# Altium PCB EASY-EAI-Nano-TB V1.01.PCBDOC (part 1 of 7) (continued)
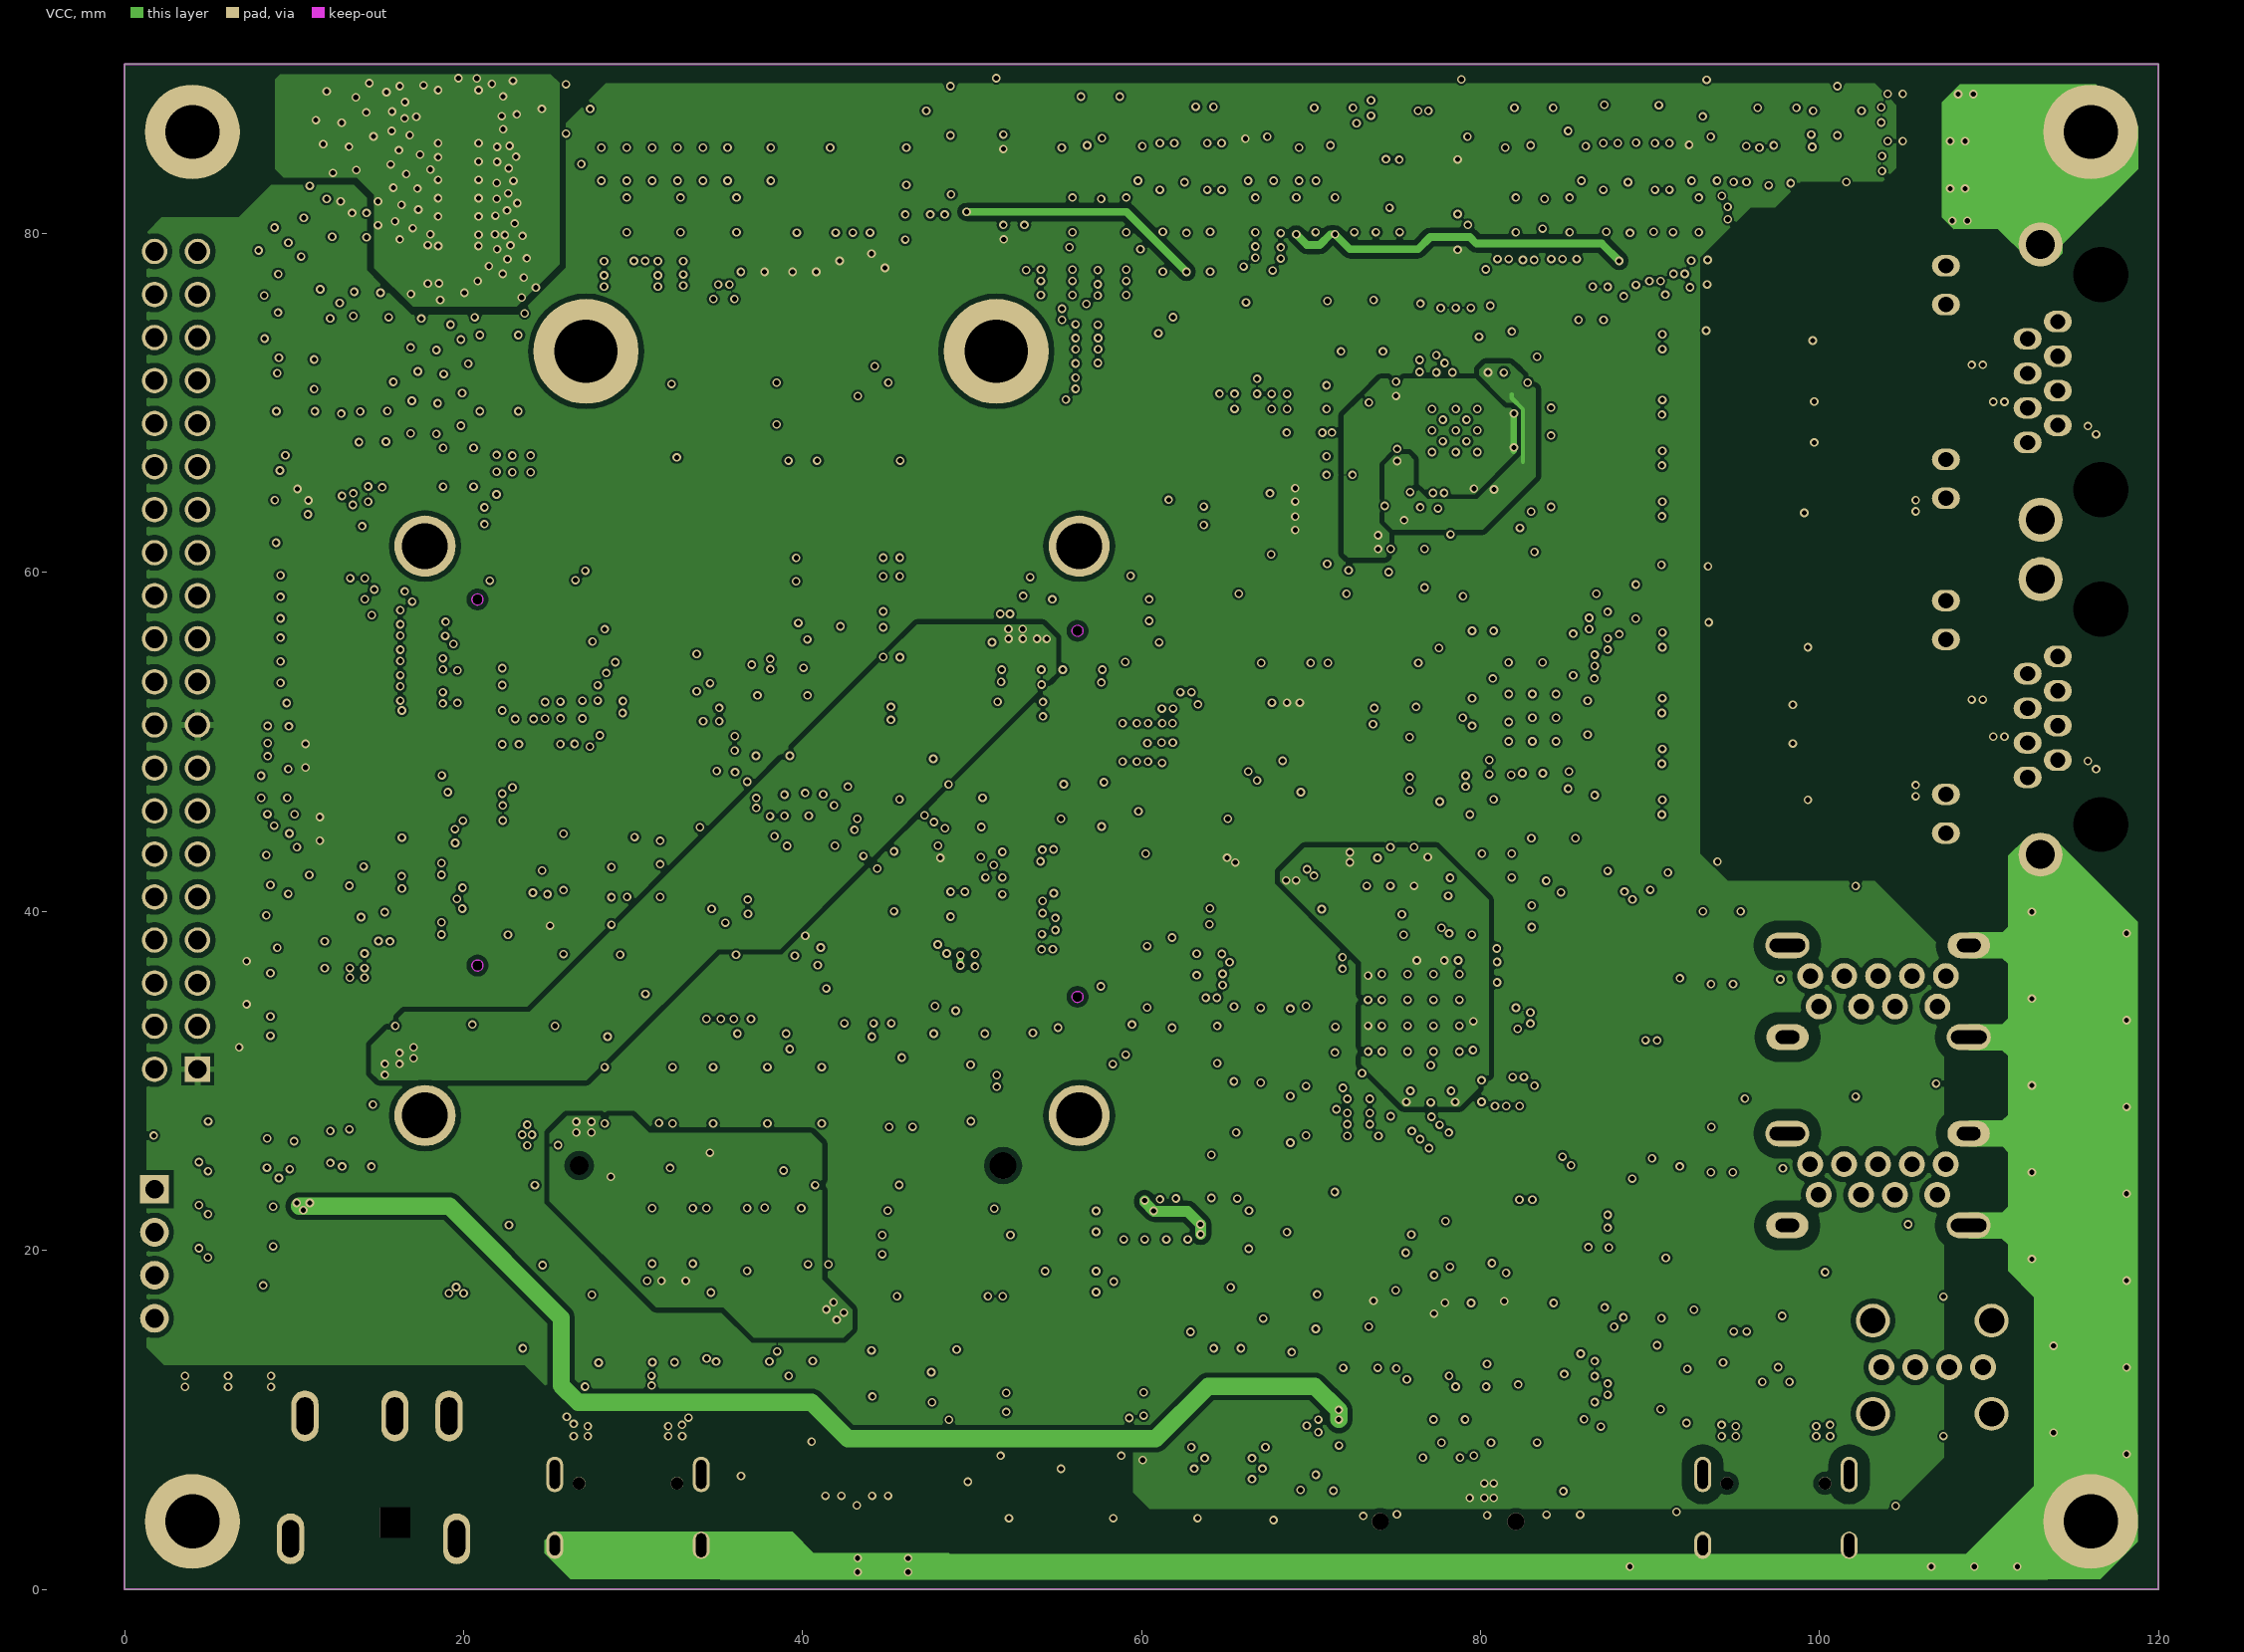
[diagram p3: VCC]
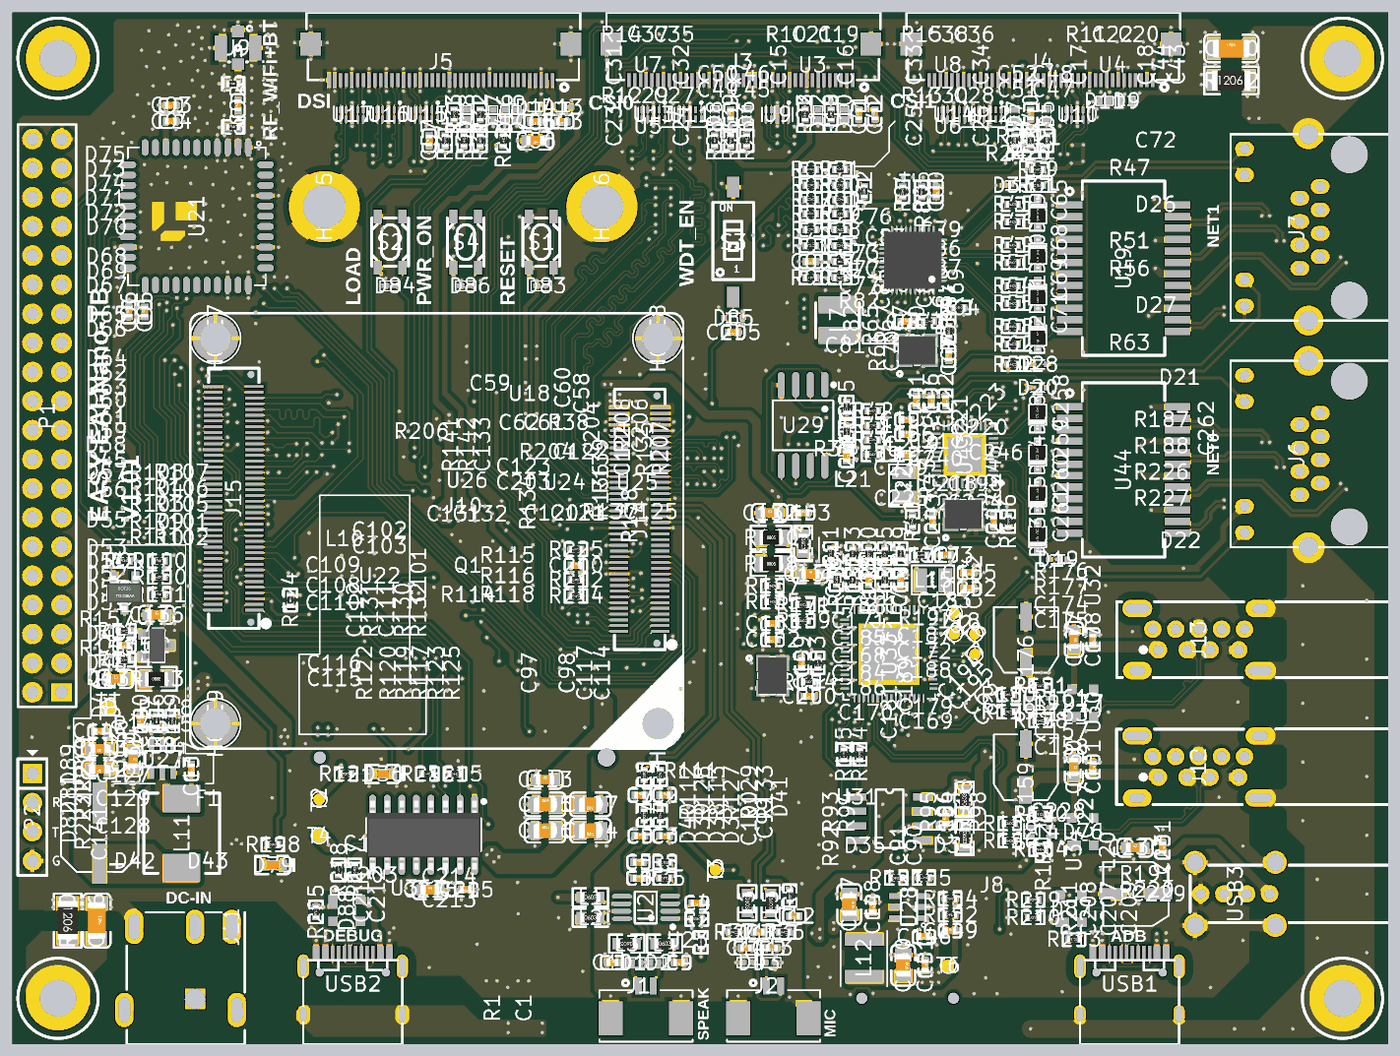
[diagram p10: 3D render of the assembled board from above, using the file's embedded part models]
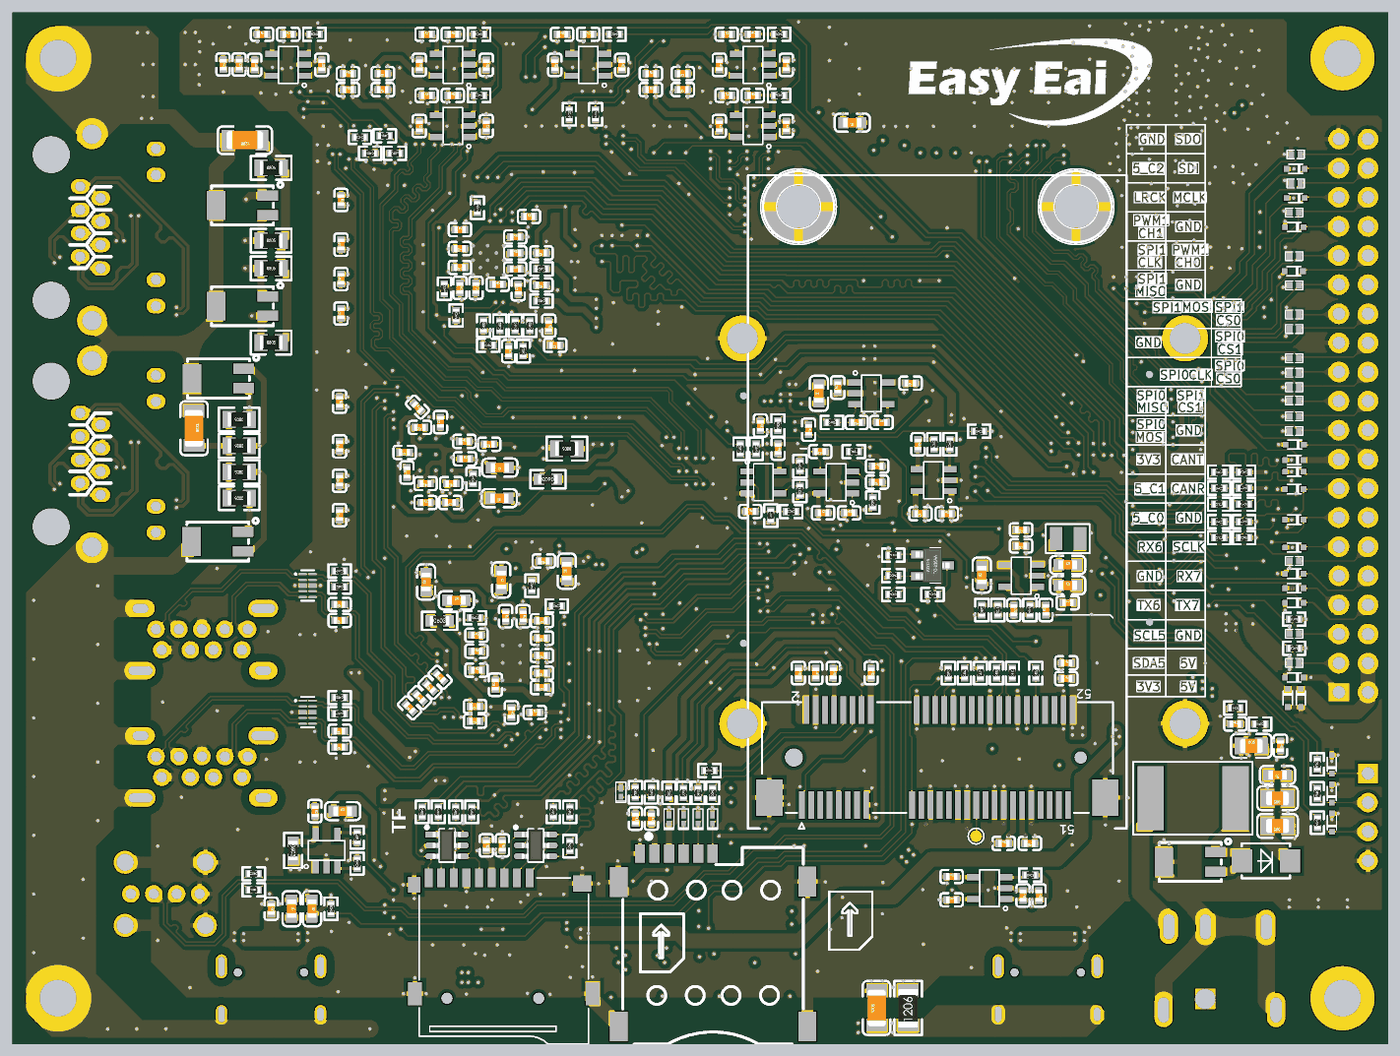
[diagram p11: 3D render of the assembled board from below, using the file's embedded part models]

## Layer stack, top to bottom
Top Solder: solder mask 0.0102, Solder Resist, Dk 3.5
Top Layer: signal copper 0.0356
Dielectric1: core 0.32, FR-4, Dk 4.8
GND: signal copper 0.0356
Dielectric2: prepreg 0.32, FR-4, Dk 4.8
VCC: signal copper 0.0356
Dielectric3: core 0.32, FR-4, Dk 4.8
Bottom Layer: signal copper 0.0356
Bottom Solder: solder mask 0.0102, Solder Resist, Dk 3.5

## Board outline
0,0 0,90 120,90 120,0

## Design rules (kind name [scope] priority, off if disabled: settings)
Clearance Clearance_EARTH [InNet('EARTH*') vs InNetClass('All Nets')] p1: gap=0.711 except(0.305: SMDPad-THPad; 0.457: THPad-THPad)
Clearance Clearance_diff [InDifferentialPairClass('90ohm') vs InDifferentialPairClass('90ohm')] p2: gap=0.127 except(0.175: Arc-Arc Arc-Track Track-Track; 0.381: Arc-Poly Track-Poly SMDPad-Poly THPad-Poly Via-Poly Fill-Poly Poly-Poly Poly-Region Poly-Text)
Clearance Clearance_ANT [InNetClass('ANT') vs InPolygon] p3: gap=0.152
Clearance Clearance_Keepout [OnLayer('Keep-Out Layer')] p4: gap=0.254
Clearance Clearance_Via2Via [IsVia vs IsVia] p5: gap=0.152
Clearance Clearance_TBL [OnTopLayer or OnBottomLayer] p6: gap=0.127 except(0.305: Arc-Poly Track-Poly SMDPad-Poly THPad-Poly Via-Poly Fill-Poly Poly-Poly; 0.381: Poly-Region Poly-Text)
Clearance Clearance_MID [inpoly] p7: gap=0.127 except(0.305: Arc-Poly Track-Poly SMDPad-Poly THPad-Poly Fill-Poly Poly-Poly Poly-Region Poly-Text)
Clearance [All] p8: gap=0.127
DiffPairsRouting DiffPairsRouting_mic [InDifferentialPair('MIC0')] p1: maxlimit=0.254 minlimit=0.178 mostfreqgap=0.254 toplayer_maxgap=0.178 toplayer_prefgap=0.178 toplayer_minwidth=0.254 toplayer_maxwidth=0.254 toplayer_prefwidth=0.254 midlayer1_mingap=0.254 midlayer1_minwidth=0.254 midlayer1_maxwidth=0.254 midlayer1_prefwidth=0.254 midlayer2_mingap=0.254 midlayer2_minwidth=0.254 midlayer2_maxwidth=0.254 midlayer2_prefwidth=0.254 bottomlayer_mingap=0.254 bottomlayer_minwidth=0.254 bottomlayer_maxwidth=0.254 bottomlayer_prefwidth=0.254 maxuncoupledlength=12.7
DiffPairsRouting DiffPairsRouting_ETNET [InDifferentialPairClass('ETNET')] p2: maxlimit=0.127 minlimit=0.127 mostfreqgap=0.127 toplayer_minwidth=0.279 toplayer_maxwidth=0.279 toplayer_prefwidth=0.279 midlayer1_minwidth=0.279 midlayer1_maxwidth=0.279 midlayer1_prefwidth=0.279 midlayer2_minwidth=0.279 midlayer2_maxwidth=0.279 midlayer2_prefwidth=0.279 bottomlayer_minwidth=0.279 bottomlayer_maxwidth=0.279 bottomlayer_prefwidth=0.279 maxuncoupledlength=12.7
DiffPairsRouting DiffPairsRouting_85 [InDifferentialPairClass('85ohm')] p3: maxlimit=0.152 minlimit=0.152 mostfreqgap=0.152 toplayer_minwidth=0.137 toplayer_maxwidth=0.137 toplayer_prefwidth=0.137 midlayer1_minwidth=0.137 midlayer1_maxwidth=0.137 midlayer1_prefwidth=0.137 midlayer2_minwidth=0.137 midlayer2_maxwidth=0.137 midlayer2_prefwidth=0.137 bottomlayer_minwidth=0.137 bottomlayer_maxwidth=0.137 bottomlayer_prefwidth=0.137 maxuncoupledlength=12.7
DiffPairsRouting DiffPairsRouting_90 [InDifferentialPairClass('DIFF90')] p4: maxlimit=0.178 minlimit=0.175 mostfreqgap=0.178 toplayer_maxgap=0.175 toplayer_prefgap=0.175 toplayer_minwidth=0.13 toplayer_maxwidth=0.13 toplayer_prefwidth=0.13 midlayer1_mingap=0.178 midlayer1_minwidth=0.127 midlayer1_maxwidth=0.127 midlayer1_prefwidth=0.127 midlayer2_mingap=0.178 midlayer2_minwidth=0.127 midlayer2_maxwidth=0.127 midlayer2_prefwidth=0.127 bottomlayer_maxgap=0.175 bottomlayer_prefgap=0.175 bottomlayer_minwidth=0.13 bottomlayer_maxwidth=0.13 bottomlayer_prefwidth=0.13 maxuncoupledlength=12.7
DiffPairsRouting [All] p5: maxlimit=0.178 minlimit=0.178 mostfreqgap=0.178 toplayer_minwidth=0.102 toplayer_maxwidth=0.102 toplayer_prefwidth=0.102 midlayer1_minwidth=0.102 midlayer1_maxwidth=0.102 midlayer1_prefwidth=0.102 midlayer2_minwidth=0.102 midlayer2_maxwidth=0.102 midlayer2_prefwidth=0.102 bottomlayer_minwidth=0.102 bottomlayer_maxwidth=0.102 bottomlayer_prefwidth=0.102 maxuncoupledlength=20.32
HoleSize [All] p1: absolutevalues=TRUE maxlimit=25.4 minlimit=0.025 maxpercent=80.000 minpercent=20.000
MatchedLengths MIPI_DSI [InxSignalClass('MIPI_DSI')] p1: tolerance=0.762 checknetsindiffpair=FALSE checkdiffpairvsdiffpair=TRUE checkxsignals=TRUE checkothers=TRUE
MatchedLengths MIPI_CSI1 [InxSignalClass('MIPI_CSI1')] p2: tolerance=0.762 checknetsindiffpair=FALSE checkdiffpairvsdiffpair=TRUE checkxsignals=TRUE checkothers=TRUE
MatchedLengths MIPI_CSI0 [InxSignalClass('MIPI_CSI0')] p3: tolerance=0.762 checknetsindiffpair=FALSE checkdiffpairvsdiffpair=TRUE checkxsignals=TRUE checkothers=TRUE
MatchedLengths HDMI [InxSignalClass('HDMI')] p4: tolerance=0.762 checknetsindiffpair=FALSE checkdiffpairvsdiffpair=TRUE checkxsignals=TRUE checkothers=TRUE
MatchedLengths SDIO [InxSignalClass('SDIO')] p5: tolerance=0.762 checknetsindiffpair=FALSE checkdiffpairvsdiffpair=TRUE checkxsignals=TRUE checkothers=TRUE
MatchedLengths GMAC0_RXD [InxSignalClass('ETH_RX')] p6: tolerance=1.27 checknetsindiffpair=FALSE checkdiffpairvsdiffpair=TRUE checkxsignals=TRUE checkothers=TRUE
MatchedLengths GMAC0_TXD [InxSignalClass('ETH_TX')] p7: tolerance=1.27 checknetsindiffpair=FALSE checkdiffpairvsdiffpair=TRUE checkxsignals=TRUE checkothers=TRUE
MatchedLengths SD_1 [InxSignalClass('SDMMCO')] p8: tolerance=1.27 checknetsindiffpair=FALSE checkdiffpairvsdiffpair=TRUE checkxsignals=TRUE checkothers=TRUE
MatchedLengths WIFI [InxSignalClass('SDIO')] p9: tolerance=0.762 checknetsindiffpair=FALSE checkdiffpairvsdiffpair=TRUE checkxsignals=TRUE checkothers=TRUE
MatchedLengths PCIE_GMAC [InxSignalClass('PCIE_GMAC')] p10: tolerance=0.762 checknetsindiffpair=FALSE checkdiffpairvsdiffpair=TRUE checkxsignals=TRUE checkothers=TRUE
MatchedLengths TYPEC0_TX [InxSignalClass('TYPEC0_TX')] p11: tolerance=0.762 checknetsindiffpair=FALSE checkdiffpairvsdiffpair=TRUE checkxsignals=TRUE checkothers=TRUE
MatchedLengths TYPEC0_RX [InxSignalClass('TYPEC0_RX')] p12: tolerance=0.762 checknetsindiffpair=FALSE checkdiffpairvsdiffpair=TRUE checkxsignals=TRUE checkothers=TRUE
MatchedLengths PCIE30_RX [InxSignalClass('PCIE30_RX')] p13: tolerance=0.762 checknetsindiffpair=FALSE checkdiffpairvsdiffpair=TRUE checkxsignals=TRUE checkothers=TRUE
MatchedLengths PCIE_TX [InxSignalClass('PCIE_TX')] p14: tolerance=0.762 checknetsindiffpair=FALSE checkdiffpairvsdiffpair=TRUE checkxsignals=TRUE checkothers=TRUE
MatchedLengths SD [InxSignalClass('SD')] p15: tolerance=1.27 checknetsindiffpair=FALSE checkdiffpairvsdiffpair=TRUE checkxsignals=TRUE checkothers=TRUE
MatchedLengths HDMI_RX [InxSignalClass('HDMI_RX')] p16: tolerance=0.762 checknetsindiffpair=FALSE checkdiffpairvsdiffpair=TRUE checkxsignals=TRUE checkothers=TRUE
MatchedLengths HDMI0_TX [InxSignalClass('HDMI0_TX')] p17: tolerance=0.762 checknetsindiffpair=FALSE checkdiffpairvsdiffpair=TRUE checkxsignals=TRUE checkothers=TRUE
MatchedLengths GMAC1_TXD [InxSignalClass('GMAC1_TXD')] p18: tolerance=1.524 checknetsindiffpair=FALSE checkdiffpairvsdiffpair=TRUE checkxsignals=TRUE checkothers=TRUE
MatchedLengths GMAC1_RXD [InxSignalClass('GMAC1_RXD')] p19: tolerance=1.524 checknetsindiffpair=FALSE checkdiffpairvsdiffpair=TRUE checkxsignals=TRUE checkothers=TRUE
MatchedLengths HDMI1_TX_1 [InxSignalClass('HDMI1_TX')] p20: tolerance=0.762 checknetsindiffpair=FALSE checkdiffpairvsdiffpair=TRUE checkxsignals=TRUE checkothers=TRUE
MatchedLengths HDMI0_TX_1 [InxSignalClass('HDMI0_TX')] p21: tolerance=0.762 checknetsindiffpair=FALSE checkdiffpairvsdiffpair=TRUE checkxsignals=TRUE checkothers=TRUE
MatchedLengths PCIE30_PORT0_RX [InxSignalClass('PCIE30_PORT0_RX')] p22: tolerance=0.762 checknetsindiffpair=FALSE checkdiffpairvsdiffpair=TRUE checkxsignals=TRUE checkothers=TRUE
MatchedLengths PCIE30_PORT0_TX [InxSignalClass('PCIE30_PORT0_TX')] p23: tolerance=0.762 checknetsindiffpair=FALSE checkdiffpairvsdiffpair=TRUE checkxsignals=TRUE checkothers=TRUE
MatchedLengths GMAC1_RX [InxSignalClass('GMAC1_RX')] p24: tolerance=1.524 checknetsindiffpair=FALSE checkdiffpairvsdiffpair=TRUE checkxsignals=TRUE checkothers=TRUE
MatchedLengths GMAC1_TX [InxSignalClass('GMAC1_TX')] p25: tolerance=1.524 checknetsindiffpair=FALSE checkdiffpairvsdiffpair=TRUE checkxsignals=TRUE checkothers=TRUE
MatchedLengths GMAC0_RX [InxSignalClass('GMAC0_RX')] p26: tolerance=1.524 checknetsindiffpair=FALSE checkdiffpairvsdiffpair=TRUE checkxsignals=TRUE checkothers=TRUE
MatchedLengths GMAC0_TX [InxSignalClass('GMAC0_TX')] p27: tolerance=1.524 checknetsindiffpair=FALSE checkdiffpairvsdiffpair=TRUE checkxsignals=TRUE checkothers=TRUE
MatchedLengths MIPI_DPHY0_RX [InxSignalClass('MIPI_DPHY0_RX')] p28: tolerance=0.762 checknetsindiffpair=FALSE checkdiffpairvsdiffpair=TRUE checkxsignals=TRUE checkothers=TRUE
MatchedLengths MIPI_DPHY1_RX [InxSignalClass('MIPI_DPHY1_RX')] p29: tolerance=0.762 checknetsindiffpair=FALSE checkdiffpairvsdiffpair=TRUE checkxsignals=TRUE checkothers=TRUE
MatchedLengths MIPI_DPHY1_TX [InxSignalClass('MIPI_DPHY1_TX')] p30: tolerance=0.762 checknetsindiffpair=FALSE checkdiffpairvsdiffpair=TRUE checkxsignals=TRUE checkothers=TRUE
MatchedLengths MIPI_DPHY0_TX [InxSignalClass('MIPI_DPHY0_TX')] p31: tolerance=0.762 checknetsindiffpair=FALSE checkdiffpairvsdiffpair=TRUE checkxsignals=TRUE checkothers=TRUE
MatchedLengths diff [InAnyDifferentialPair > InDifferentialPair('MIC0')] p32: tolerance=0.127 checknetsindiffpair=TRUE checkdiffpairvsdiffpair=FALSE checkxsignals=FALSE checkothers=FALSE
MinimumSolderMaskSliver [All] p1: minsoldermaskwidth=0.102
PlaneClearance PlaneClearance_EARTH [InNet('EARTH') OR InNet('EARTH0') OR InNet('EARTH1') OR InNet('EARTH2')] p1: clearance=0.635
PlaneClearance PlaneClearance_Full [IsVia] p2: clearance=0.229
PlaneClearance [All] p3: clearance=0.508
PlaneConnect PlaneConnect_Full [IsVia] p1: planeconnectstyle=Direct reliefexpansion=0.508 reliefentries=4 reliefconductorwidth=0.254 reliefairgap=0.254
PlaneConnect [All] p2: planeconnectstyle=Relief reliefexpansion=0.406 reliefentries=4 reliefconductorwidth=0.381 reliefairgap=0.152
PolygonConnect PolygonConnect_SMDHole [HasFootprint('Mou Hole-300D450W310H-SMD') or HasFootprint('Mou Hole-373D600H-SMD')] p1: connectstyle=Relief reliefconductorwidth=2.032 reliefentries=4 polygonreliefangle="45 Angle" airgapwidth=0.508
PolygonConnect PolygonConnect_Full [IsVia or   HasFootprint('PAD-40') or   HasFootprint('PAD-35/50') or  HasFootprint('HOLE-3.2') or   HasFootprint('HOLE-3.2 - Screw')] p2: connectstyle=Direct reliefconductorwidth=0.254 reliefentries=4 polygonreliefangle="90 Angle" airgapwidth=0.254
PolygonConnect PolygonConnect_Surface [OnLayer('Top Layer')  or  OnLayer('Bottom Layer')] p3: connectstyle=Relief reliefconductorwidth=0.381 reliefentries=4 polygonreliefangle="90 Angle" airgapwidth=0.381
PolygonConnect PolygonConnect_Inner [All] p4: connectstyle=Relief reliefconductorwidth=0.381 reliefentries=4 polygonreliefangle="90 Angle" airgapwidth=0.203
RoomDefinition U_08 [InComponentClass('U_08')] p1: confinementstyle=ConfineIn formatcopy=TRUE lockcomponents=FALSE outline 24.572,9.507 48.499,9.507 48.499,5.443 24.572,5.443
RoomDefinition USB3.0-A-TH [False] p2: confinementstyle=ConfineIn formatcopy=TRUE lockcomponents=FALSE outline 94.953,41.782 113.548,41.782 113.548,7.602 94.953,7.602
RoutingVias [All] p1: holewidth=0.305 width=0.508 viastyle="Through Hole" minholewidth=0.254 minwidth=0.457 maxholewidth=0.305 maxwidth=0.508
SilkToSilkClearance [All > IsTextInverted] p1: silktosilkclearance=0.051
SilkToSolderMaskClearance SilkToSolderMaskClearance_body [IsComponentPad vs IsComponentArc or IsComponentTrack] p1: minsilkscreentomaskgap=0 clearancetoexposedcopper=TRUE
SilkToSolderMaskClearance [IsPad] p2: minsilkscreentomaskgap=0.051 clearancetoexposedcopper=TRUE
SolderMaskExpansion [All] p1: expansion=0.102
Width Width_PWR [InNetClass('PWR')] p1: maxlimit=2.54 minlimit=0.152 preferedwidth=0.381 midlayer1_minwidth=0.203 midlayer2_minwidth=0.203 minimp=50.000000 maximp=50.000000 favimp=50.000000
Width [All] p2: maxlimit=3.81 minlimit=0.127 preferedwidth=0.127
23 further rules are at their usual default settings.

## Classes and differential pairs
net class ANT: NetC92_1 NetC92_2
differential pair class DIFF90: CH340 HUB_D1 HUB_D2 HUB_D3 HUB_D4 HUB_D11 HUB_D21 OTG_D OTG_D11 RX RX_D1 RX_D2 RX_D3 RX_D4 RX_TX1 SSRX TX TX_D1 TX_D2 TX_D3 TX_D4 USB0 USB2_HOST1 USB3_HOST1_SSRX USB3_HOST1_SSTX USB4/ USB_1 USB_2 USB_OTG USB_RX1 USB_RX2 USB_TTL USB_TX1 USB_TX2
differential pair class ETNET: MDI0/ MDI1/ MDI2/ MDI3/ PHY1_MD0 PHY1_MD1 PHY1_MD2 PHY1_MD3
net class MIPI_DSI: MIPI_DSI_TX0_CLK_N MIPI_DSI_TX0_CLK_P MIPI_DSI_TX0_D0_N MIPI_DSI_TX0_D0_P MIPI_DSI_TX0_D1_N MIPI_DSI_TX0_D1_P MIPI_DSI_TX0_D2_N MIPI_DSI_TX0_D2_P MIPI_DSI_TX0_D3_N MIPI_DSI_TX0_D3_P
net class SAI1: SAI1_LRCK_M2 SAI1_MCLK_M2 SAI1_SCLK_M2 SAI1_SDI_M2 SAI1_SDO_M2
net class SPI0: SPI0_CLK_M2 SPI0_CSN0_M2 SPI0_CSN1_M2 SPI0_MISO_M2 SPI0_MOSI_M2
net class ETH_TX: ETH_TXCLK_M0 ETH_TXCTL_M0 ETH_TXD0_M0 ETH_TXD1_M0 ETH_TXD2_M0 ETH_TXD3_M0
net class ETH_RX: ETH_RXCLK_M0 ETH_RXCTL_M0 ETH_RXD0_M0 ETH_RXD1_M0 ETH_RXD2_M0 ETH_RXD3_M0 PHY1_RXCLK/PHYAD1 PHY1_RXD0/RXDLY PHY1_RXD1/TXDLY PHY1_RXD2/PLLOFF PHY1_RXD3/PHYAD0 PHY1_RXDV/PHYAD2
net class SDIO: SD_CLK SD_CMD SD_D0 SD_D1 SD_D2 SD_D3 SDIO_CLK SDIO_CMD SDIO_D0 SDIO_D1 SDIO_D2 SDIO_D3
net class AUD&MIC: DSM_AUD_RN DSM_AUD_RP MIC0_N MIC0_P MIC_N MIC_P VCC_5V_AUDIO
net class SPI1: SPI1_CLK_M1 SPI1_CS0N_M1 SPI1_CS1N_M1 SPI1_MISO_M1 SPI1_MOSI_M1
net class MIPI_CSI1: MIPI_CSI1_RX_CLK_N MIPI_CSI1_RX_CLK_P MIPI_CSI1_RX_D0_N MIPI_CSI1_RX_D0_P MIPI_CSI1_RX_D1_N MIPI_CSI1_RX_D1_P MIPI_CSI1_RX_D2_N MIPI_CSI1_RX_D2_P MIPI_CSI1_RX_D3_N MIPI_CSI1_RX_D3_P
net class MIPI_CSI0: MIPI_CSI0_RX_CLK_N MIPI_CSI0_RX_CLK_P MIPI_CSI0_RX_D0_N MIPI_CSI0_RX_D0_P MIPI_CSI0_RX_D1_N MIPI_CSI0_RX_D1_P MIPI_CSI0_RX_D2_N MIPI_CSI0_RX_D2_P MIPI_CSI0_RX_D3_N MIPI_CSI0_RX_D3_P
net class SDMMC0: NetD34_1 NetD34_4 NetD34_6 NetD35_1 NetD35_4 NetD35_6 SDMMC0_CLK SDMMC0_CMD SDMMC0_D0 SDMMC0_D1 SDMMC0_D2 SDMMC0_D3
net class USB3.0: RX_N RX_P TX_N TX_P USB0_N USB0_P USB2_HOST1_N USB2_HOST1_P USB3_HOST1_SSRX_N USB3_HOST1_SSRX_P USB3_HOST1_SSTX_N USB3_HOST1_SSTX_P
net class PWR: AGND AVDD33 CHIP_GND DVDD12 SIM_VCC SIM_VPP V5 V5BUS VBUS VCC3V3 VCC3V3_CH340 VCC3V3_PHY1 VCC5V0_BASE VCC5V0_CH340 VCC12V_DCIN VCC_1V2_CAM0 VCC_1V2_CAM1 VCC_1V8 VCC_1V8_CAM0 VCC_1V8_CAM1 VCC_2V8_CAM0 VCC_2V8_CAM1 VCC_4G VCC_5V VCC_5V_AUDIO VCC_12V VCCIO_PHY1 VDD10_PHY1 VP12
component class U_01: HOLE7 HOLE8 HOLE9 HOLE10 J14 J15
component class U_03: C1 HOLE1 HOLE2 HOLE3 HOLE4 R1
component class U_05: C2 C3 C4 C5 C6 C7 C8 C9 C10 C11 C12 C13 C14 D1 D2 D3 D4 J1 J2 L1 L2 L3 L4 L5 L6 R2 R3 R4 R5 R6 R7 R8 R9 R35 R36 R37 U2
component class U_06: C15 C16 C17 C18 C19 C20 C21 C22 C23 C24 C25 C26 C27 C28 C29 C30 C31 C32 C33 C34 C35 C36 C37 C38 C39 C40 C41 C42 C43 C44 C45 C46 C47 C48 C49 C50 C51 C52 D5 D6 D7 D8 D9 D10 D11 D12 J3 J4 R10 R11 R12 R13 R14 R15 R16 R17 R18 R19 R20 R21 R22 R23 R24 R25 R26 R27 R28 R29 U3 U4 U5 U6 U7 U8 U9 U10 U11 U12 U13 U14
component class U_07: C53 C54 C55 C56 C57 D13 D14 D15 D16 D17 D18 J5 R30 R31 R32 R33 R34 R224 U15 U16 U17
component class U_08: C156 C193 C194 C195 C196 C197 C198 C217 C218 C219 C220 C221 C222 C223 C224 C225 C226 C239 C240 C241 C242 C243 C244 C245 C246 C258 C259 C260 C261 C262 D19 D20 D21 D22 D23 D24 D25 D78 J6 L21 L22 R39 R40 R41 R42 R43 R44 R159 R162 R185 R186 R187 R188 R226 R227 U29 U43 U44 Y3
component class U_09: C65 C66 C67 C68 C69 C70 C71 C72 C73 C74 C75 C76 C77 C78 C79 C80 C81 C82 C83 C84 C85 C86 C87 C88 C89 D26 D27 D28 D29 D30 D31 D32 D33 J7 L7 R45 R46 R47 R48 R49 R50 R51 R52 R53 R54 R55 R56 R57 R58 R59 R60 R61 R62 R63 R64 R65 R66 R67 R68 R69 R70 R71 R72 R73 R74 R75 R76 R77 R78 R79 R80 R81 R82 R83 R84 R85 R86 R87 R88 R89 R90 R91 U19 U20 Y1
component class U_10: C90 C91 D34 D35 J8 R92 R93 R94 R95 R96 R97 R98 R225
component class U_11: C92 C93 C94 C95 C96 J9 L8 L9 R99 R100 R101 R102 R103 R104 R105 R106 R107 R108 R109 R110 U21
component class U_12: C97 C98 C99 C100 C101 C102 C103 C104 C105 C106 C107 C108 C109 C110 C111 C112 C113 C114 C115 C116 C117 C118 C119 D36 D37 D38 D39 D40 D41 HOLE5 HOLE6 J10 L10 Q1 R111 R112 R113 R114 R115 R116 R117 R118 R119 R120 R121 R122 R123 R124 R125 R127 R128 R129 R130 R131 R132 R133 T1 T2 U22 U23
component class U_13: C58 C59 C60 C61 C62 C120 C121 C122 C123 C124 C125 R38 R134 R135 R136 R137 R138 R139 U18 U24 U25
component class U_14: C126 C127 C128 C129 C130 C131 C132 C133 C134 C135 C136 C137 C138 C139 C140 C141 C142 C143 C144 C145 C146 C147 C148 C149 C150 C151 D42 D43 D79 F1 J11 L11 L12 Q2 Q3 R140 R141 R142 R143 R144 R145 R146 R147 R148 R149 R150 R151 R152 R153 R154 R155 R198 T3 T4 T5 T6 U26 U27 U28
component class U_15: D44 D45 D46 D47 D48 D49 D50 D51 D52 D53 D54 D55 D56 D57 D58 D59 D60 D61 D62 D63 D64 D65 D66 D67 D68 D69 D70 D71 D72 D73 D74 D75 P1 R156 R157
component class U_16: C63 C64 C152 C153 C154 C155 C157 C158 C159 C160 C161 C162 C163 C164 C165 C166 C167 C168 C169 C170 C171 C172 C173 C174 C175 C176 C177 C178 C179 C180 C181 C182 C183 C184 C185 C186 C187 C188 C189 C190 C191 C192 C199 C200 C201 C202 D76 D77 J12 J13 L13 L14 L15 L16 L17 L18 L19 R158 R160 R161 R163 R164 R165 R166 R167 R168 R169 R170 R171 R172 R173 R174 R175 R176 R177 R178 R179 R180 R181 R182 R183 R184 R189 R192 R193 R194 R195 R196 R197 R200 R201 R202 T7 T8 T9 T10 U30 U31 U32 U33 Y2
component class U_17: C203 C204 C205 C206 C211 C212 C213 C214 C215 C216 D81 D82 D83 D84 D85 D86 D88 D89 P2 R203 R204 R205 R206 R207 R208 R215 R216 R217 R218 R219 R222 R223 S1 S2 S3 S4 U36 U37 USB2
component class U_18: C207 C208 C209 C210 C227 C228 C229 C230 C231 D87 L20 R126 R190 R191 R209 R210 R211 R212 R213 R214 R220 U34 USB1 USB3
differential pair HUB_D11: +NetL14_4 -NetL14_1
differential pair HUB_D21: +NetL19_4 -NetL19_1
differential pair RX_TX1: +SSTX_P -SSTX_N
differential pair OTG_D11: +NetR191_2 -NetR220_2
differential pair FEPHY_RX: +FEPHY_RX_P -FEPHY_RX_N
differential pair FEPHY_TX: +FEPHY_TX_P -FEPHY_TX_N
differential pair PHY1_MDI3/: +PHY1_MDI3/+ -PHY1_MDI3/-
differential pair PHY1_MDI2/: +PHY1_MDI2/+ -PHY1_MDI2/-
differential pair PHY1_MDI1/: +PHY1_MDI1/+ -PHY1_MDI1/-